# Altium PCB LimeSDR_1v2s.PcbDoc (part 6 of 9) (continued)
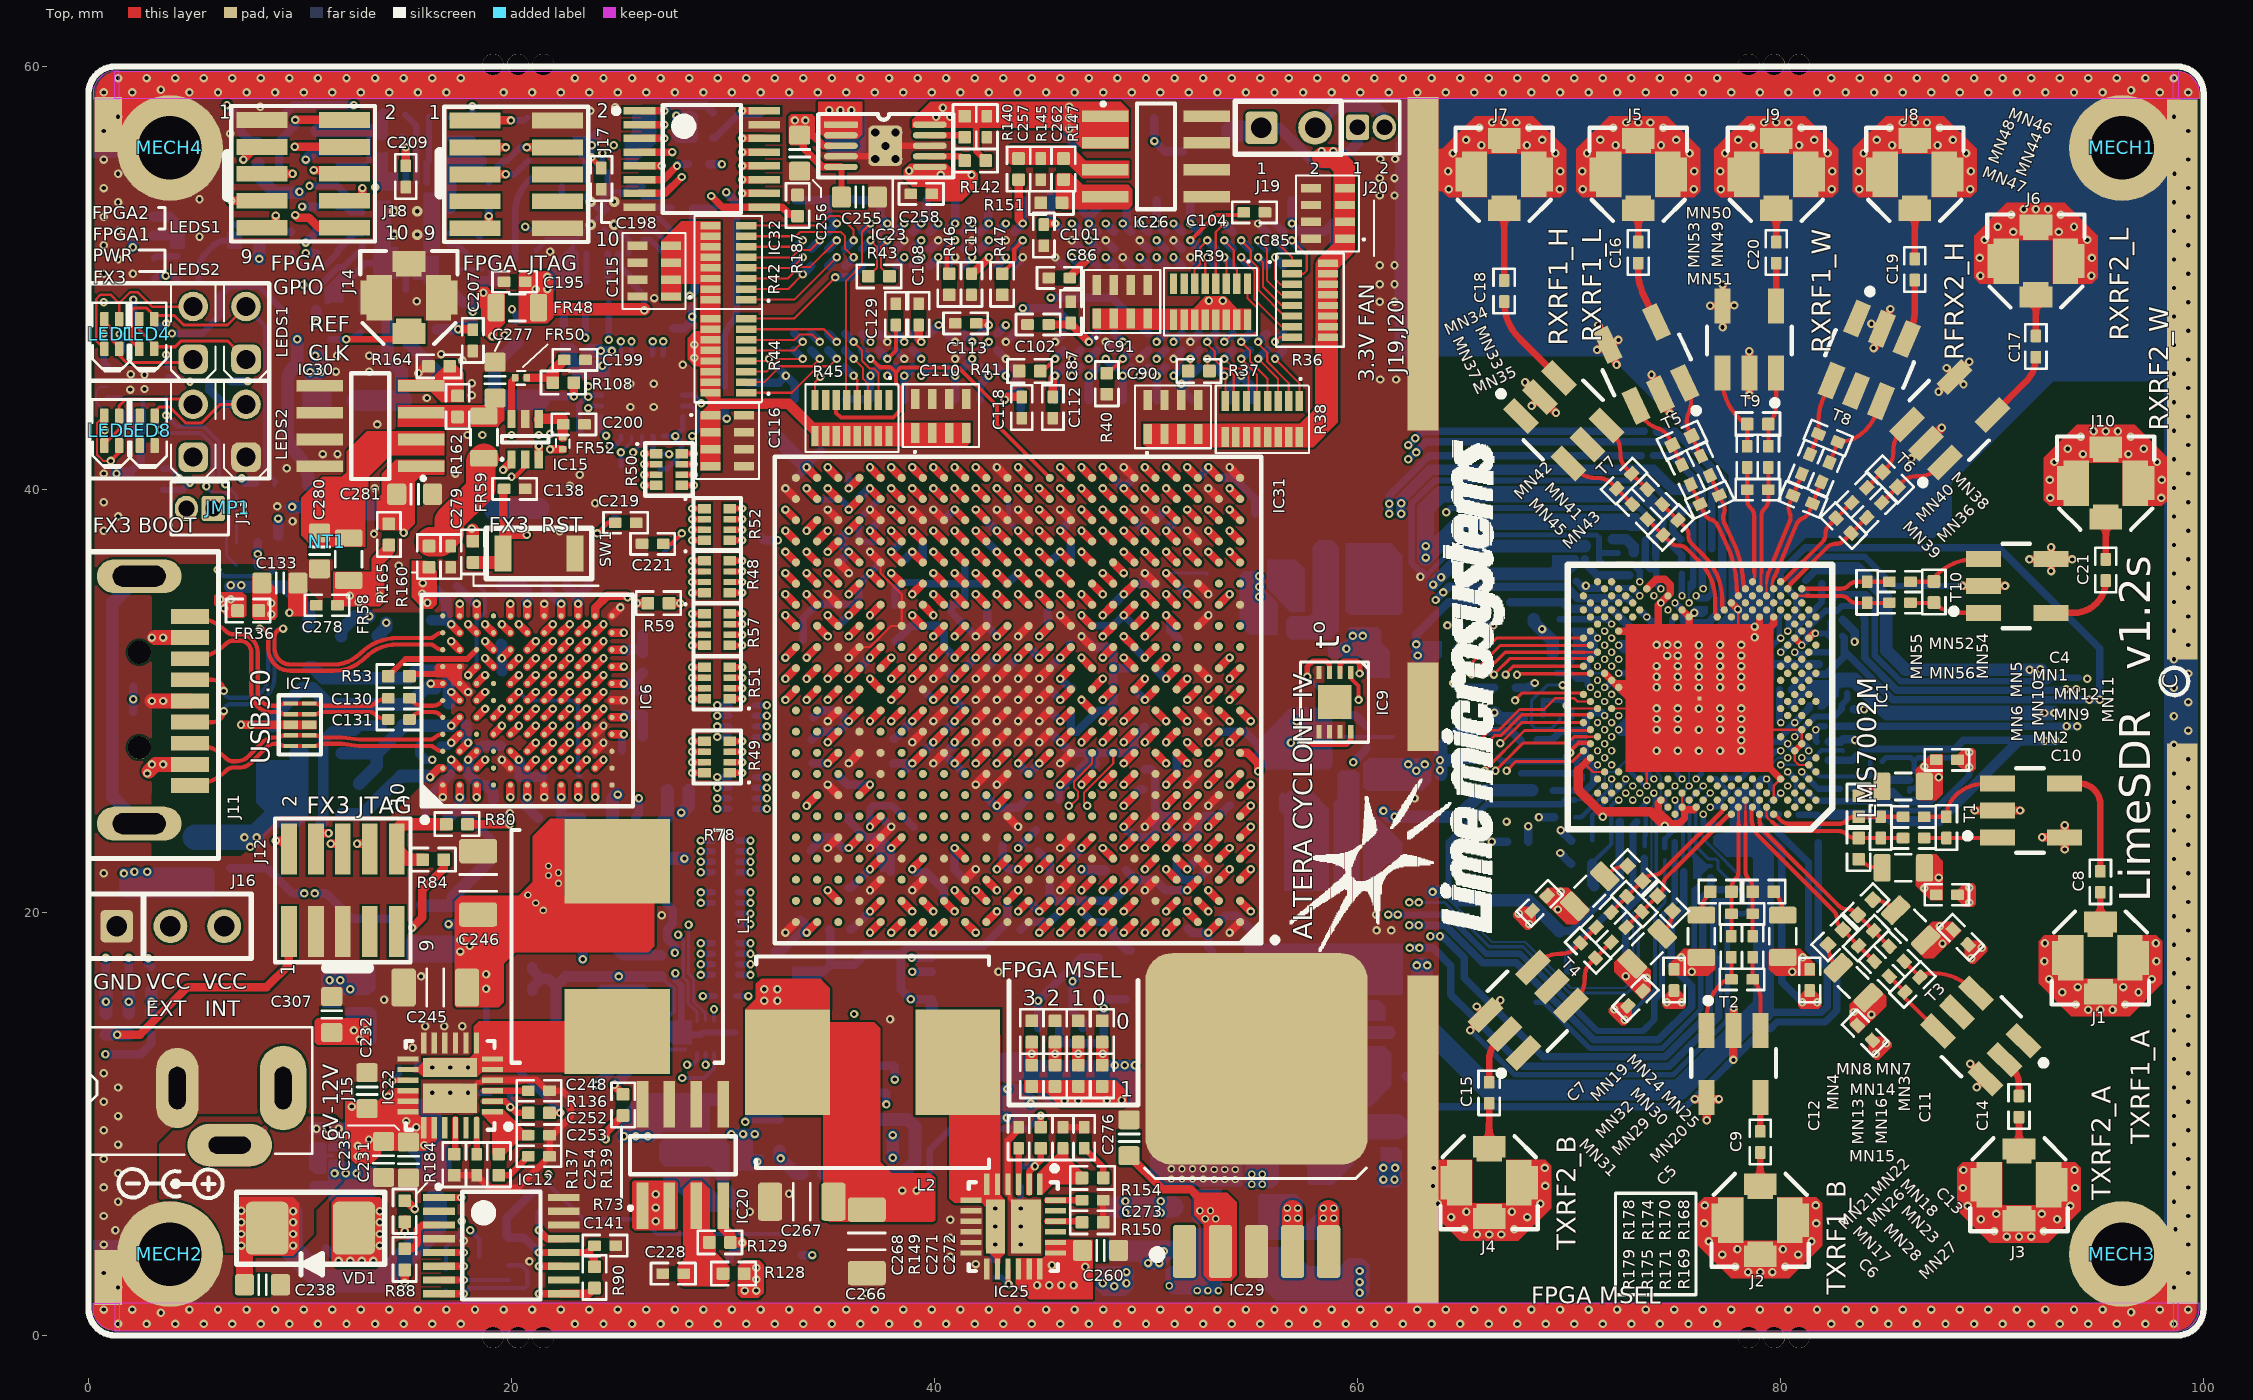
[diagram p0: Top view]
## Nets (pads, with @x,y where several pads share a name; then routed paths per layer and width w, separated by ;. In a path a pad name is that pad's centre, name@x,y a point inside that pad or via, vN(x,y) a via of type N, cw(c..) or ccw(c..) an arc to the next point about the centre after c; other vN are vias at no path point) (continued)
  other v4: 80.339,33.306
NetC72_1: C72.1 FR30.2 IC1.P4 | length 1.7
  Bottom w0.35: C72.1@80.206,28.526 80.221,28.526 v4(80.672,28.977) 81.369,29.674 FR30.2@81.369,29.781
NetC73_1: C73.1 FR29.1 IC1.AP26 | length 1.7
  Bottom w0.3: C73.1@72.276,36.439 FR29.1@73.051,36.439 73.346,36.144 v4(73.346,35.637)
NetC74_1: C74.1 FR29.2 R34.2 | length 1.4
  Bottom w0.5: C74.1@72.076,37.644 R34.2@72.701,37.644 73.051,37.294 FR29.2@73.051,37.044
NetC75_1: C75.1 FR31.1 IC1.AM26 | length 1.4
  Bottom w0.3: C75.1@72.051,35.339 FR31.1@72.826,35.339 72.979,35.339 v4(73.346,34.971)
NetC76_1: C76.1 FR31.2 R35.2 | length 2.5
  Bottom w0.4: R35.2@70.751,36.714 70.751,36.519 71.321,35.949 FR31.2@72.851,35.949
NetC77_1: C77.1 FR32.1 IC1.AK22 | length 13.9
  L4 w0.35: v1(65.8,36) 71.425,36 73.003,34.422 73.865,34.422 74.099,34.188 74.561,34.188 v4(74.678,34.305)
  Bottom w0.6: v1(65.8,36) 69.25,36 69.775,36.525
NetC78_1: C78.1 FR33.1 IC1.AF6 | length 1.9
  Bottom w0.25: C78.1@79.531,32.544 79.576,32.544 v4(80.006,32.973) 79.939,33.04 79.939,33.982 FR33.1@80.051,34.094 ; FR33.1@80.001,34.064 FR33.1@80.006,34.059
NetC79_1: C79.1 FR34.1 IC1.AD4 | length 1.8
  Bottom w0.3: v4(80.672,32.307) 80.737,32.307 80.829,32.215 81.181,32.215 81.273,32.307 82.342,32.307 FR34.1@82.351,32.299
NetC80_1: C80.1 FR35.1 IC1.AF2 | length 1.8
  Top w0.35: IC1.AF2@81.338,32.973 81.558,33.194 v4(81.651,33.194)
  Bottom w0.3: v4(81.651,33.194) 82.18,33.194 82.305,33.069 82.371,33.069 C80.1@82.371,33.719
NetC134_1: C134.1 FR37.2 J11.10 | length 12.8
  Bottom w0.6: J11.10@2.4,24.2 1.123,25.478 1.123,29.374 1.123,34.623 J11.10@2.4,35.9
NetC158_2: C158.2 C159.1 FR42.1 IC6.A2 | length 5.7
  Top w0.4: v2(16.15,26.4) 16.575,26.825 IC6.A2@16.75,26.825
  Bottom w0.6: FR42.1@11.95,24.65 12.975,24.65 C158.2@14.2,25.875 14.775,26.45 C159.1@15.325,26.45 v2@16.1,26.45
NetC160_1: C160.1 C161.2 FR43.1 IC6.B5 | length 7.9
  Top w0.4: v2(17.15,28.825) IC6.B5@17.55,29.225
  Bottom w0.6: FR43.1@11.975,27.525 13.636,27.525 ; C161.2@12.8,26.1 13.636,26.936 13.636,27.525 ; C160.1@14.875,28.85 14.875,28.764 13.636,27.525 ; C160.1@15.075,28.825 v2(17.15,28.825)
NetC162_1: C162.1 C163.2 FR44.1 IC6.A7 | length 9
  Top w0.4: v2(16.184,30.825) IC6.A7@16.75,30.825
  Bottom w0.6: FR44.1@8.675,28.8 8.675,29.175 C163.2@10.1,30.6 10.6,30.6 11.365,29.835 C162.1@12.81,29.835 15.146,29.835 15.611,30.3
NetC181_1: C181.1 C182.2 R98.2 | length 2.2
  Bottom w0.309: R98.2@28.55,52.263 C182.2@28.55,53.313 C181.1@29.65,53.313
NetC181_2: C181.2 R96.1 R103.1 R104.1 R105.2 R106.1 R107.1 | length 49.2
  L4 w0.1: v1(3.65,50.1) 6.973,50.1 cw(c6.973,47.56) 8.769,49.356 cw(c7.849,48.436) 9.15,48.436 ccw(c10.625,48.436) 9.582,47.393 v1(9.875,47.1)
  L8 w0.1: v1(9.875,47.1) ccw(c10.72,47.945) 10.72,46.75 19.908,46.75 ccw(c19.908,48.542) 21.175,47.275 cw(c22.141,46.309) 22.141,47.675 23,47.675 ccw(c23,49.546) 24.323,48.223 v1(30.15,54.05)
  Bottom w0.309: R103.1@3.1,49.925 3.275,50.1 v1(3.65,50.1) 4.025,50.1 R104.1@4.2,49.925 ; R107.1@30.075,44.85 30.075,47.136 cw(c31.014,47.136) 30.35,47.8 ccw(c29.626,48.524) 30.65,48.524 C181.2@30.65,53.313
  Bottom w0.4: v1(30.15,54.05) 30.15,54.043 30.65,53.543 C181.2@30.65,53.313
  Bottom w0.6: v1(9.875,47.1) 9.875,46.222 cw(c9.278,46.222) 9.7,45.8 ccw(c10.386,45.114) 9.416,45.114 9.416,42.612 ccw(c10.568,42.612) 9.753,41.797 cw(c8.131,40.175) R96.1@10.425,40.175
NetC182_1: C182.1 IC13.21 | length 1.3
  Bottom w0.309: IC13.21@26.225,53.313 C182.1@27.55,53.313
NetC183_2: C183.2 IC13.20 | length 1.5
  Bottom w0.25: IC13.20@26.225,53.813 26.95,53.813 C183.2@27.5,54.363
NetC186_2: C186.2 C187.2 FR47.1 R95.2 XT2.5 XT3.4 XT4.4 | length 6.1
  Bottom w0.6: C186.2@14.15,47.95 R95.2@14.15,46.9 14.15,46.225 14.8,45.575 XT2.5@14.8,44.225
  Bottom w1: XT3.4@12.7,44.2 14.775,44.2 XT2.5@14.8,44.225
NetC188_2: C188.2 IC14.6 IC14.7 IC14.8 R100.2 | length 2.9
  Bottom w0.5: R100.2@3.1,52.025 IC14.7@4.2,52.025 IC14.8@4.2,52.525 3.825,52.9 C188.2@3.1,52.9
NetC199_2: C199.2 FR50.2 R108.2 | length 2.6
  Top w0.4: FR50.2@20.73,45.275 21.75,45.275 21.95,45.475 22,45.525
  Top w0.5: 22,45.525 22,45.625 C199.2@22.5,46.125
  Top w0.6: R108.2@21.95,45.05 21.95,45.475
NetC200_1: C200.1 FR52.2 IC15.4 | length 2
  Top w0.5: IC15.4@21.3,43.325 21.325,43.35 22.425,43.35 FR52.2@22.425,42.5
NetC201_1: C201.1 IC16.5 | length 1.4
  Bottom w0.3: IC16.5@17.05,51.6 17.425,51.6 C201.1@18.125,50.9
NetC201_2: C201.2 C202.1 R109.2 | length 2.1
  Bottom w0.5: C201.2@18.125,49.9 18.175,49.85 R109.2@19.175,49.85 19.175,49.9 C202.1@19.175,50.9
NetC204_2: C204.2 C205.1 C206.1 FR51.2 IC16.6 IC16.7 | length 20
  L4 w0.4: v1(10.275,55.6) 14.475,55.6 17.55,52.525 17.55,49.025 v1(18.175,48.4)
  Bottom w0.3: IC16.7@15.5,50.7 IC16.6@16,50.7 16,49.825 16.25,49.575 FR51.2@16.475,49.575
  Bottom w0.4: C206.1@10.8,55.975 C205.1@12.8,55.975
  Bottom w0.5: v1(10.275,55.6) 10.65,55.975 10.75,55.975 C206.1@10.8,55.975 ; FR51.2@16.475,49.575 16.975,49.575 17.7,48.85 C204.2@18.175,48.85 v1@18.175,48.45
NetC209_2: C209.2 C210.1 IC16.18 R110.1 | length 3.1
  Top w0.4: C209.2@15,55.3 v1(15,56.175)
  Bottom w0.3: C210.1@14.825,56.675 15,56.5 IC16.18@15,54.5
NetC211_1: C211.1 C212.2 R114.2 | length 2
  Bottom w0.3: C212.2@12.925,48.475 R114.2@12.925,49.425 C211.1@13.975,49.425
NetC211_2: C211.2 IC16.8 | length 1.2
  Bottom w0.3: C211.2@15,49.45 IC16.8@15,50.7
NetC213_2: C213.2 R112.2 R113.1 | length 12.5
  L4 w0.1: v1@18.15,58.15 18.15,53.227 ccw(c20.69,53.227) 18.894,51.431 19.281,51.044 cw(c17.485,49.248) 20.025,49.248 v1(20.025,48.525)
  Bottom w0.309: R112.2@17.125,57.575 C213.2@18.175,57.575 ; v1@18.15,58.15 18.15,57.696 ccw(c18.321,57.696) C213.2@18.2,57.575 ; v1(20.025,48.525) cw(c19.456,47.956) 20.26,47.956 R113.1@20.26,47.943
  other v1: 18.15,58.125
NetC214_1: C214.1 R118.2 | length 1.1
  Bottom w0.3: C214.1@17.1,56.575 18.15,56.575 R118.2@18.2,56.525
NetC214_2: C214.2 C215.2 IC16.20 R112.1 | length 3.2
  Bottom w0.3: IC16.20@16,54.5 16,55.475 C215.2@16.1,55.575 C214.2@16.1,56.575 R112.1@16.1,57.625
NetC216_1: C216.1 IC16.4 | length 1.5
  Bottom w0.3: IC16.4@17.05,52.1 18.35,52.1 C216.1@18.5,51.95
NetC220_2: C220.2 IC16.12 R119.2 | length 4.5
  Bottom w0.3: C220.2@9.625,51.175 9.625,51 10.15,50.475 11.075,50.475 R119.2@11.775,51.175 11.775,51.3 12.575,52.1 IC16.12@12.95,52.1
NetC228_2: C228.2 IC20.3 R128.2 R129.1 | length 0.9
  Top w0.5: IC20.3@28.735,5.185 IC20.3@28.735,6.125
NetC237_1: C237.1 J15.1 J16.2 VD1.A | length 5
  Bottom w0.4: C237.1@11.225,4.125 v1(11.825,3.525) v1(13.475,3.525) 13.775,3.825 v1(13.775,5.875)
  other v1: 12.375,3.525 12.925,3.525 13.775,4.25 13.775,4.8 13.775,5.35
NetC240_1: C240.1 IC22.15 | length 1.4
  Top w0.25: v1@14.425,12.075 IC22.15@15.1,12.075
  Bottom w0.25: v1(14.375,12.05) 14.7,12.375 C240.1@14.7,12.675
NetC240_2: C240.2 IC22.5 IC22.6 IC22.7 IC22.14 IC22.26 L1.1
  other v6: 16.25,12.675 17.1,12.675 17.95,12.675
NetC243_2: C243.2 FR54.2 IC21.1 IC21.2
NetC244_2: C244.2 IC21.3 R132.2 R134.1 | length 4.7
  Bottom w1.2: IC21.3@57.1,9.865 R132.2@61.84,9.865
NetC248_1: C248.1 IC22.3 | length 2.1
  Top w0.309: IC22.3@18.7,11.575 C248.1@20.8,11.575
NetC250_2: C250.2 FR55.2 IC24.1 IC24.2
NetC251_2: C251.2 IC24.3 R141.2 R143.1
NetC252_1: C252.1 IC22.1 R139.2
NetC253_1: C253.1 R139.1 | length 1.8
  Top w0.309: R139.1@19.4,7.575 19.9,7.575 C253.1@20.8,8.475
NetC254_1: C254.1 IC22.24 | length 1.7
  Top w0.309: C254.1@18.35,8.575 IC22.24@18.35,10.225
NetC259_1: C259.1 IC25.15 | length 1.5
  Top w0.25: IC25.15@43.475,3.15 43.475,2.45 v1(43.5,2.425)
  Bottom w0.25: C259.1@42.875,2.75 43.175,2.75 v1(43.5,2.425)
NetC259_2: C259.2 IC25.5 IC25.6 IC25.7 IC25.14 IC25.26 L2.1
  other v6: 42.875,4.3 42.875,5.15 42.875,6
NetC262_2: C262.2 IC26.3 R145.2 R147.1
NetC264_2: C264.2 FR56.2 IC27.1 IC27.2
NetC265_2: C265.2 IC27.3 R146.2 R148.1
NetC268_1: C268.1 IC25.3 | length 2.1
  Top w0.309: IC25.3@43.975,6.75 C268.1@43.975,8.85
NetC270_2: C270.2 IC28.3 R155.2 R156.1 | length 1.7
  Bottom w0.6: 30,7.625 30,7.05 30.55,6.5 R156.1@30.55,6.2
NetC271_1: C271.1 IC25.1 R154.2
NetC272_1: C272.1 R154.1 | length 1.8
  Top w0.309: C272.1@47.075,8.85 47.975,7.95 R154.1@47.975,7.45
NetC273_1: C273.1 IC25.24 | length 1.7
  Top w0.309: IC25.24@45.325,6.4 C273.1@46.975,6.4
NetC275_2: C275.2 IC29.4 R157.2 R158.1 | length 1.9
  Top w1: IC29.4@56.93,3.975 56.93,5.905
  other v5: 56.675,5.55 57.175,5.55 56.675,6.025 57.175,6.025
NetC276_2: C276.2 FR57.2 IC29.2 | length 4
  Top w0.4: C276.2@49.2,8.5 50.775,6.925 52.101,6.925 52.402,6.624
  other v5: 52.8,5.525 53.3,5.525 52.55,5.9 53.05,5.9
NetC277_2: C277.2 FR59.1 IC30.3 R162.1
NetC279_2: C279.2 FR59.2 R160.2 | length 5.3
  Top w1.4: R160.2@16.175,37.525 16.625,37.525 17.05,37.95 17.05,38.525 18.55,40.025 18.55,41.325 FR59.2@18.7,41.475
NetC280_2: C280.2 FR58.2 IC30.2
NetC281_2: C281.2 IC30.1 R163.2 R165.1 | length 47.5
  Top w0.4: 14.875,38.825 14.9,38.8 v1(14.9,37.95)
  L4 w0.2: v1(14.9,37.95) 15.075,37.775 15.075,25.96 17.725,23.31 17.725,21.375 21.575,17.525 21.575,7.8 v1(21.75,7.625)
  Bottom w0.2: v1(21.75,7.625) 21.8,7.575 21.8,7.1 23.4,5.5 26.159,5.5 26.859,4.8 R163.2@33.725,4.8
NetFR50_1: FR50.1 IC15.6 | length 2
  Top w0.35: IC15.6@20,43.325 20,44.725 20,45.105 FR50.1@20.17,45.275
NetIC1_AM24: IC1.AM24 R1.1 | length 8.6
  L10 w0.1: v1(66.425,33.575) cw(c67.365,32.635) 67.365,33.964 72.075,33.964 ccw(c72.075,36.209) 73.663,34.622 v4(74.012,34.971)
  Bottom w0.4: R1.1@65.85,33.575 v1(66.425,33.575)
NetIC1_D6: IC1.D6 R26.2 | length 0.6
  Bottom w0.25: R26.2@79.526,25.264 79.622,25.264 v4(80.006,25.647)
NetIC1_D28: IC1.D28 R10.1 | length 6
  L10 w0.1: v1(68.075,24.075) 68.718,24.075 70.291,25.647 v4(72.68,25.647)
  Bottom w0.4: R10.1@68.075,23.35 v1(68.075,24.075)
NetIC1_E5: IC1.E5 R4.1 | length 16.2
  L10 w0.1: v1(68.375,30.85) cw(c69.462,29.763) 69.462,31.3 71.375,31.3 cw(c71.375,30.577) 71.887,31.088 72.056,30.919 ccw(c73.852,32.715) 73.852,30.175 77.95,30.175 cw(c77.95,29.425) 78.7,29.425 78.7,28.55 ccw(c80.947,28.55) 79.358,26.961 v4(80.339,25.98)
  Bottom w0.4: R4.1@67.475,30.625 67.832,30.625 ccw(c67.832,31.393) v1(68.375,30.85)
NetIC1_F18: IC1.F18 R9.1 | length 2.2
  Bottom w0.25: v4(76.01,26.313) 76.248,26.552 76.248,27.048 76.631,27.431 76.631,28.164 R9.1@76.58,28.215
NetIC1_F28: IC1.F28 R13.1 | length 3.6
  Bottom w0.2: R13.1@71.1,23.4 71.1,24.598 72.68,26.178 v4(72.68,26.313)
NetIC1_F30: IC1.F30 R12.1 | length 2.7
  Bottom w0.2: R12.1@70.3,24.5 70.578,24.5 72.014,25.936 v4(72.014,26.313)
NetIC1_J5: IC1.J5 R28.1 | length 1.1
  Bottom w0.11: R28.1@79.356,27.019 79.579,27.019 79.872,27.312 v4(80.339,27.312)
NetIC1_K2: IC1.K2 R31.1 | length 0.5
  Bottom w0.3: R31.1@81.049,28.017 R31.1@81.074,28.017 ; R31.1@81.049,28.042 R31.1@81.074,28.017 ; v4(81.338,27.645) 81.338,27.753 R31.1@81.074,28.017
NetIC6_B3: IC6.B3 R56.2 | length 1.4
  Top w0.4: IC6.B3@17.55,27.625 v2(17.95,28.025)
  Bottom w0.5: R56.2@17.85,28.875 17.85,28.125 v2@17.937,28.038
NetIC6_C8: IC6.C8 R54.2 | length 5.2
  Top w0.4: v2(17.95,31.225) IC6.C8@18.35,31.625
  Bottom w0.2: v2(17.95,31.225) 18.35,31.625 18.35,33.305 18.35,33.791 18.75,34.191 18.75,35.15 R54.2@18.475,35.425
NetIC6_E1: IC6.E1 R58.4 | length 14.8
  Top w0.4: v2(19.95,25.459) IC6.E1@19.95,26.025
  L4 w0.1: v2(19.95,25.459) 20.3,25.809 23.295,25.809 23.5,25.604 23.5,25.325 23.8,25.025 27.47,25.025 30.075,27.63 30.075,28.95 v1(29.725,29.3)
  Bottom w0.3: v1(29.725,29.3) R58.4@30.3,29.3
NetIC6_E4: IC6.E4 R58.8 | length 15.6
  Top w0.4: IC6.E4@19.95,28.425 v2(20.35,28.825)
  L3 w0.1: v2(20.35,28.825) 20.8,29.275 20.8,30.57 21.005,30.775 21.195,30.775 21.6,31.18 21.6,32.17 21.805,32.375 22.895,32.375 23.15,32.12 23.15,31.075 23.375,30.85 24.45,30.85 24.925,30.375 25.85,30.375 26.95,29.275 28.75,29.275 v1(29.725,28.3)
  Bottom w0.3: v1(29.725,28.3) R58.8@30.3,28.3
NetIC6_E5: IC6.E5 R58.6 | length 14.6
  Top w0.4: IC6.E5@19.95,29.225 v2(20.35,29.625)
  L4 w0.1: v2(20.35,29.625) 20.35,29.375 20.525,29.2 21.275,29.2 21.55,29.475 21.55,29.9 21.725,30.075 22.925,30.075 23.2,29.8 23.2,29.425 23.425,29.2 24.55,29.2 24.925,29.575 25.5,29.575 25.625,29.575 ccw(c25.625,29.85) 25.9,29.85 cw(c26.3,29.85) 26.3,30.25 cw(c26.3,29.85) 26.7,29.85 26.7,29.575 26.7,29.107 ccw(c27.1,29.107) 27.1,28.707 ccw(c27.1,29.107) 27.5,29.107 27.5,29.175 cw(c27.9,29.175) 27.9,29.575 28.2,29.575 28.475,29.3 29.225,29.3 v1(29.725,28.8)
  Bottom w0.3: v1(29.725,28.8) R58.6@30.3,28.8
NetIC6_F3: IC6.F3 R55.8 | length 14.6
  Top w0.4: IC6.F3@20.75,27.625 v2(21.15,28.025)
  L8 w0.1: v2(21.15,28.025) 20.8,27.675 20.8,26.85 20.375,26.425 20.375,25.2 21.267,24.308 22.976,24.308 23.359,23.925 28.75,23.925 v1(29.725,24.9)
  Bottom w0.3: v1(29.725,24.9) R55.8@30.3,24.9
NetIC6_F4: IC6.F4 R55.2 | length 14.5
  Top w0.4: IC6.F4@20.75,28.425 v2(21.15,28.825)
  L8 w0.1: v2(21.15,28.825) 21.6,28.375 22.125,28.375 22.2,28.3 22.2,28.292 22.3,28.192 22.3,26.375 22.8,25.875 22.8,25.314 23.005,25.109 25.225,25.109 ccw(c25.225,25.509) 25.625,25.509 25.625,25.709 cw(c26.025,25.709) 26.025,26.109 cw(c26.025,25.709) 26.425,25.709 26.425,25.509 ccw(c26.825,25.509) 26.825,25.109 27.225,25.109 27.475,25.109 28.434,25.109 v1(29.725,26.4)
  Bottom w0.3: v1(29.725,26.4) R55.2@30.3,26.4
NetIC6_F5: IC6.F5 R58.2 | length 14.5
  Top w0.4: IC6.F5@20.75,29.225 v2(21.15,29.625)
  L4 w0.1: v2(21.15,29.625) 20.8,29.975 19.975,29.975 19.775,30.175 19.775,30.675 19.975,30.875 22.975,30.875 23.175,30.675 23.175,30.25 23.35,30.075 24.7,30.075 25.075,30.45 27.975,30.45 28.15,30.275 28.15,30.005 28.405,29.75 29.675,29.75 v1(29.725,29.8)
  Bottom w0.3: v1(29.725,29.8) R58.2@30.3,29.8
NetIC6_F7: IC6.F7 R48.5 | length 15
  Top w0.3: v1(28.55,35.625) R48.5@29.125,35.625
  Top w0.4: IC6.F7@20.75,30.825 v2(21.15,31.225)
  L4 w0.1: v2(21.15,31.225) 21.575,31.65 21.575,34.05 21.925,34.4 21.925,37.15 22.35,37.575 26.6,37.575 v1(28.55,35.625)
NetIC6_F8: IC6.F8 R50.3 | length 14.1
  Top w0.3: v1(26.275,41.2) R50.3@26.85,41.2
  Top w0.4: IC6.F8@20.75,31.625 v2(21.15,32.025)
  L8 w0.1: v2(21.15,32.025) 21.6,32.475 22.095,32.475 22.3,32.68 22.3,34.046 21.9,34.446 21.9,38.625 24.475,41.2 v1(26.275,41.2)
NetIC6_F9: IC6.F9 R48.3 | length 14.9
  Top w0.3: v1(28.55,36.125) R48.3@29.125,36.125
  Top w0.4: IC6.F9@20.75,32.425 v2(21.15,32.825)
  L4 w0.1: v2(21.15,32.825) 21.15,38.125 21.45,38.425 26.25,38.425 v1(28.55,36.125)
NetIC6_F10: IC6.F10 R48.1 | length 14.9
  Top w0.3: v1(28.55,36.625) R48.1@29.125,36.625
  Top w0.4: v2(20.35,33.625) IC6.F10@20.75,33.225
  L4 w0.1: v2(20.35,33.625) 20.35,38.178 20.797,38.625 26.333,38.625 28.333,36.625 v1(28.55,36.625)
NetIC6_G2: IC6.G2 R55.4 | length 14.6
  Top w0.4: IC6.G2@21.55,26.825 v2(21.95,27.225)
  L8 w0.1: v2(21.95,27.225) 21.5,26.775 21.5,26.004 21.9,25.604 21.9,25.05 22.175,24.775 23.075,24.775 23.525,24.325 23.75,24.325 23.774,24.325 ccw(c23.774,24.605) 24.054,24.605 cw(c24.358,24.605) 24.358,24.909 cw(c24.358,24.605) 24.662,24.605 ccw(c24.942,24.605) 24.942,24.325 24.966,24.325 ccw(c24.966,24.629) 25.27,24.629 25.27,24.675 cw(c25.574,24.675) 25.574,24.979 cw(c25.574,24.675) 25.878,24.675 25.878,24.629 ccw(c26.182,24.629) 26.182,24.325 26.205,24.325 ccw(c26.205,24.606) 26.486,24.606 cw(c26.79,24.606) 26.79,24.91 cw(c26.79,24.606) 27.094,24.606 ccw(c27.375,24.606) 27.375,24.325 27.702,24.325 27.725,24.325 28.15,24.325 v1(29.725,25.9)
  Bottom w0.3: v1(29.725,25.9) R55.4@30.3,25.9
NetIC6_G3: IC6.G3 R55.6 | length 14.5
  Top w0.4: IC6.G3@21.55,27.625 v2(21.95,28.025)
  L8 w0.1: v2(21.95,28.025) 21.6,27.675 21.6,27.18 20.7,26.28 20.7,26.004 21.175,25.529 21.175,24.683 21.35,24.508 23.059,24.508 23.442,24.125 28.45,24.125 v1(29.725,25.4)
  Bottom w0.3: v1(29.725,25.4) R55.6@30.3,25.4
NetIC6_G5: IC6.G5 R62.7 | length 18.2
  Top w0.4: IC6.G5@21.55,29.225 v2(21.95,29.625)
  L3 w0.1: v2(21.95,29.625) 22.225,29.625 22.35,29.5 22.35,26.025 21.975,25.65 21.975,24.425 23.25,23.15 23.25,21.225 23.6,20.875 27.642,20.875 28.525,21.758 28.525,22.975 v1(28.95,23.4)
  Bottom w0.3: v1(28.95,23.4) R62.7@29.525,23.4
NetIC6_G6: IC6.G6 R62.1 | length 18.8
  Top w0.4: IC6.G6@21.55,30.025 v2(21.95,30.425)
  L3 w0.1: v2(21.95,30.425) 21.5,29.975 21.5,26.109 21.2,25.809 21.2,21.825 22.35,20.675 27.725,20.675 v1(28.95,21.9)
  Bottom w0.3: v1(28.95,21.9) R62.1@29.525,21.9
NetIC6_G7: IC6.G7 R61.7 | length 18.9
  Top w0.4: IC6.G7@21.55,30.825 v2(21.95,31.225)
  L9 w0.1: v2(21.95,31.225) 21.5,30.775 21.5,29.475 21.25,29.225 21,29.225 20.8,29.025 20.8,27.08 21.2,26.68 21.2,24.417 27.067,18.55 v1(28.95,18.55)
  Bottom w0.3: v1(28.95,18.55) R61.7@29.525,18.55
NetIC6_G8: IC6.G8 R57.7 | length 14.2
  Top w0.3: v1(28.55,32.625) R57.7@29.125,32.625
  Top w0.4: IC6.G8@21.55,31.625 v2(21.95,32.025)
  L8 w0.1: v2(21.95,32.025) 21.6,31.675 19.725,31.675 19.475,31.425 19.475,31.075 19.775,30.775 24.7,30.775 25.175,31.25 27.092,31.25 28.467,32.625 v1(28.55,32.625)
NetIC6_G9: IC6.G9 R50.1 | length 14.1
  Top w0.3: v1(26.275,41.7) R50.1@26.85,41.7
  Top w0.4: IC6.G9@21.55,32.425 v2(21.95,32.825)
  L8 w0.1: v2(21.95,32.825) 21.95,33.13 21.6,33.48 21.6,34.046 21.2,34.446 21.2,39.5 23.1,41.4 25.975,41.4 v1(26.275,41.7)
NetIC6_G10: IC6.G10 R48.7 | length 15.1
  Top w0.3: v1(28.55,35.125) R48.7@29.125,35.125
  Top w0.4: IC6.G10@21.55,33.225 v2(21.95,33.625)
  L4 w0.1: v2(21.95,33.625) 22.7,34.375 22.7,34.975 22.15,35.525 22.15,37.05 22.475,37.375 23.025,37.375 23.425,37.375 23.825,37.375 cw(c23.825,36.975) 24.225,36.975 24.225,36.175 ccw(c24.625,36.175) 24.625,35.775 ccw(c24.625,36.175) 25.025,36.175 25.025,36.975 cw(c25.425,36.975) 25.425,37.375 25.675,37.375 26.3,37.375 v1(28.55,35.125)
NetIC6_H2: IC6.H2 R51.6 | length 14.3
  Top w0.3: v1(28.55,31.1) R51.6@29.125,31.1
  Top w0.4: IC6.H2@22.35,26.825 v2(22.75,27.225)
  L8 w0.1: v2(22.75,27.225) 23.1,27.575 23.1,28.925 23.35,29.175 23.775,29.175 24,28.95 24,28.68 24.205,28.475 24.495,28.475 24.795,28.775 25.275,28.775 ccw(c25.275,29.175) 25.675,29.175 25.675,29.775 cw(c26.075,29.775) 26.075,30.175 cw(c26.075,29.775) 26.475,29.775 26.475,28.775 26.475,28.48 ccw(c26.875,28.48) 26.875,28.08 ccw(c26.875,28.48) 27.275,28.48 cw(c27.57,28.48) 27.57,28.775 27.725,28.775 28,28.775 28.2,28.975 28.2,30.75 v1(28.55,31.1)
NetIC6_H3: IC6.H3 R51.8 | length 14.4
  Top w0.3: v1(28.55,31.6) R51.8@29.125,31.6
  Top w0.4: IC6.H3@22.35,27.625 v2(22.75,28.025)
  L8 w0.1: v2(22.75,28.025) 22.4,28.375 22.4,28.87 22.07,29.2 20.28,29.2 20,29.48 20,29.795 20.255,30.05 24.846,30.05 25.171,30.375 26.5,30.375 27.725,31.6 v1(28.55,31.6)
NetIC6_H5: IC6.H5 R63.7 | length 18.5
  Top w0.4: IC6.H5@22.35,29.225 v2(22.75,29.625)
  L9 w0.1: v2(22.75,29.625) 22.75,29.375 22.4,29.025 22.4,28.68 22.605,28.475 22.9,28.475 23.2,28.175 23.2,27.875 23.5,27.575 23.695,27.575 24,27.27 24,26.95 24.725,26.225 25.392,26.225 25.625,25.992 25.625,25.6 23.45,23.425 23.45,22.733 26.683,19.5 27.5,19.5 v1(28.95,20.95)
  Bottom w0.3: v1(28.95,20.95) R63.7@29.525,20.95
NetIC6_H7: IC6.H7 R61.5 | length 19.3
  Top w0.4: IC6.H7@22.35,30.825 v2(22.75,31.225)
  L9 w0.1: v2(22.75,31.225) 23.2,30.775 23.695,30.775 23.978,30.492 23.978,30.302 24.205,30.075 24.771,30.075 25.171,29.675 26.912,29.675 27.8,28.787 27.8,25.764 28.6,24.964 28.6,24.528 29.875,23.253 29.875,20.566 29.3,19.991 29.3,18.4 v1(28.95,18.05)
  Bottom w0.3: v1(28.95,18.05) R61.5@29.525,18.05
NetIC6_H8: IC6.H8 R62.5 | length 18.6
  Top w0.4: IC6.H8@22.35,31.625 v2(22.75,32.025)
  L3 w0.1: v2(22.75,32.025) 22.375,31.65 22.375,31.05 22.55,30.875 22.875,30.875 23.2,30.55 23.2,26.125 22.8,25.725 22.8,24.1 24.125,22.775 27.83,22.775 28.855,23.8 29.3,23.8 29.475,23.625 29.475,23.425 v1(28.95,22.9)
  Bottom w0.3: v1(28.95,22.9) R62.5@29.525,22.9
NetIC6_H9: IC6.H9 R50.7 | length 14.2
  Top w0.3: v1(26.275,40.2) R50.7@26.85,40.2
  Top w0.4: IC6.H9@22.35,32.425 v2(22.75,32.825)
  L8 w0.1: v2(22.75,32.825) 23.025,32.825 23.2,33 23.2,33.77 23.6,34.17 23.6,34.575 23.6,34.676 ccw(c23.301,34.676) 23.301,34.975 cw(c23.301,35.375) 22.901,35.375 cw(c23.301,35.375) 23.301,35.775 23.6,35.775 23.9,35.775 ccw(c23.9,36.175) 24.3,36.175 ccw(c23.9,36.175) 23.9,36.575 cw(c23.9,36.875) 23.6,36.875 23.6,37.375 23.6,38.025 23.6,39.725 ; v1(26.275,40.2) 26,40.475 24.35,40.475 24.075,40.2 ; 23.6,39.725 24.075,40.2 ; 23.6,39.725 24.075,40.2
NetIC6_H10: IC6.H10 R50.5 | length 14.1
  Top w0.3: v1(26.275,40.7) R50.5@26.85,40.7
  Top w0.4: IC6.H10@22.35,33.225 v2(22.75,33.625)
  L8 w0.1: v2(22.75,33.625) 22.75,34.75 22.75,35.1 ccw(c22.55,35.1) 22.55,35.3 cw(c22.55,35.7) 22.15,35.7 cw(c22.55,35.7) 22.55,36.1 22.75,36.1 22.95,36.1 ccw(c22.95,36.5) 23.35,36.5 ccw(c22.95,36.5) 22.95,36.9 22.75,36.9 22.55,36.9 cw(c22.55,37.3) 22.15,37.3 cw(c22.55,37.3) 22.55,37.7 22.75,37.7 22.95,37.7 ccw(c22.95,38.1) 23.35,38.1 ccw(c22.95,38.1) 22.95,38.5 cw(c22.95,38.7) 22.75,38.7 22.75,38.9 22.75,39.175 24.275,40.7 v1(26.275,40.7)
NetIC6_J1: IC6.J1 R51.4 | length 14.9
  Top w0.3: v1(28.55,30.6) R51.4@29.125,30.6
  Top w0.4: v2(23.15,25.459) IC6.J1@23.15,26.025
  L4 w0.1: v2(23.15,25.459) 23.15,24.575 23.425,24.3 27.028,24.3 30.275,27.547 30.275,29.825 29.5,30.6 v1(28.55,30.6)
NetIC6_J2: IC6.J2 R49.8 | length 14.1
  Top w0.3: v1(28.55,28.1) R49.8@29.125,28.1
  Top w0.4: IC6.J2@23.15,26.825 v2(23.55,27.225)
  L8 w0.1: v2(23.55,27.225) 23.275,27.225 22.825,26.775 22.825,26.175 23.191,25.809 23.805,25.809 25.196,27.2 25.65,27.2 cw(c25.65,26.8) 26.05,26.8 ccw(c26.45,26.8) 26.45,26.4 ccw(c26.45,26.8) 26.85,26.8 cw(c27.25,26.8) 27.25,27.2 27.475,27.2 28.025,27.2 28.2,27.025 28.2,26.455 28.505,26.15 29.1,26.15 29.375,26.425 29.375,27.825 29.1,28.1 v1(28.55,28.1)
NetIC6_J3: IC6.J3 R51.2 | length 13.9
  Top w0.3: v1(28.55,30.1) R51.2@29.125,30.1
  Top w0.4: IC6.J3@23.15,27.625 v2(23.55,28.025)
  L8 w0.1: v2(23.55,28.025) 23.975,27.6 24.775,27.6 25.15,27.975 25.7,27.975 cw(c25.7,27.575) 26.1,27.575 26.1,27.461 ccw(c26.5,27.461) 26.5,27.061 ccw(c26.5,27.461) 26.9,27.461 26.9,27.575 cw(c27.3,27.575) 27.3,27.975 27.625,27.975 27.93,27.975 28.405,28.45 29.08,28.45 29.58,27.95 29.9,27.95 30.475,28.525 30.475,30.1 30.225,30.35 28.8,30.35 v1(28.55,30.1)
NetIC6_J4: IC6.J4 R49.4 | length 14.9
  Top w0.3: v1(28.55,27.1) R49.4@29.125,27.1
  Top w0.4: IC6.J4@23.15,28.425 v2(23.55,28.825)
  L4 w0.1: v2(23.55,28.825) 23.925,28.45 24.675,28.45 25.1,28.025 25.5,28.025 25.725,28.25 25.725,28.6 26,28.875 26.025,28.875 26.275,28.875 cw(c26.275,28.475) 26.675,28.475 26.675,26.575 ccw(c27.075,26.575) 27.075,26.175 ccw(c27.075,26.575) 27.475,26.575 27.475,28.475 cw(c27.875,28.475) 27.875,28.875 29.15,28.875 29.375,28.65 29.375,27.275 29.2,27.1 v1(28.55,27.1)
NetIC6_J5: IC6.J5 R63.5 | length 18.4
  Top w0.4: IC6.J5@23.15,29.225 v2(23.55,29.625)
  L9 w0.1: v2(23.55,29.625) 24,29.175 24,28.68 24.205,28.475 24.75,28.475 25.2,28.025 25.5,28.025 26.175,28.7 27,28.7 27.4,28.3 27.4,25.3 26.875,24.775 25.85,24.775 25.558,24.483 25.558,23.617 27.625,21.55 28.975,21.55 29.475,21.05 29.475,20.75 29.175,20.45 v1(28.95,20.45)
  Bottom w0.3: v1(28.95,20.45) R63.5@29.525,20.45
NetIC6_J6: IC6.J6 R59.2 | length 15.1
  Top w0.4: IC6.J6@23.15,30.025 v2(23.55,30.425) ; v1(25.925,34.625) R59.2@26.45,34.625
  L4 w0.1: v2(23.55,30.425) 23.55,30.583 23.175,30.958 23.175,32.15 23.4,32.375 24.495,32.375 24.7,32.17 24.7,31.675 25.175,31.2 27.6,31.2 27.9,31.5 27.9,32.425 27.55,32.775 25.2,32.775 24.966,33.009 24.966,33.666 25.15,33.85 25.725,33.85 25.925,34.05 v1(25.925,34.625)
NetIC6_J7: IC6.J7 R61.3 | length 19.2
  Top w0.4: IC6.J7@23.15,30.825 v2(23.55,31.225)
  L9 w0.1: v2(23.55,31.225) 24,30.775 24.495,30.775 24.795,30.475 26.395,30.475 28,28.87 28,25.847 28.8,25.047 28.8,24.611 30.075,23.336 30.075,20.483 29.5,19.908 29.5,18.1 v1(28.95,17.55)
  Bottom w0.3: v1(28.95,17.55) R61.3@29.525,17.55
NetIC6_J8: IC6.J8 R57.5 | length 15.6
  Top w0.3: v1(28.55,33.125) R57.5@29.125,33.125
  Top w0.4: IC6.J8@23.15,31.625 v2(23.55,32.025)
  L3 w0.1: v2(23.55,32.025) 23.9,31.675 24.666,31.675 24.966,31.975 25.525,31.975 ccw(c25.525,32.375) 25.925,32.375 25.925,33.375 cw(c26.325,33.375) 26.325,33.775 cw(c26.325,33.375) 26.725,33.375 26.725,31.975 26.725,30.575 ccw(c27.125,30.575) 27.125,30.175 ccw(c27.125,30.575) 27.525,30.575 27.525,31.975 27.525,32.21 cw(c27.925,32.21) 27.925,32.61 cw(c27.925,32.21) 28.325,32.21 ccw(c28.56,32.21) 28.56,31.975 28.85,31.975 29.125,32.25 29.125,32.875 28.875,33.125 v1(28.55,33.125)
NetIC6_J9: IC6.J9 R52.3 | length 14.1
  Top w0.3: v1(28.55,38.6) R52.3@29.125,38.6
  Top w0.4: IC6.J9@23.15,32.425 v2(23.55,32.825)
  L8 w0.1: v2(23.55,32.825) 23.9,33.175 23.9,33.692 24.7,34.492 24.7,38.45 24.85,38.6 25.425,38.6 ccw(c25.425,39) 25.825,39 25.825,39.2 cw(c26.225,39.2) 26.225,39.6 cw(c26.225,39.2) 26.625,39.2 26.625,38.6 26.625,38 ccw(c27.025,38) 27.025,37.6 ccw(c27.025,38) 27.425,38 27.425,38.2 cw(c27.825,38.2) 27.825,38.6 28.025,38.6 v1(28.55,38.6)
NetIC6_J10: IC6.J10 R52.1 | length 14.2
  Top w0.3: v1(28.55,39.1) R52.1@29.125,39.1
  Top w0.4: IC6.J10@23.15,33.225 v2(23.55,33.625)
  L8 w0.1: v2(23.55,33.625) 24.5,34.575 24.5,39.6 24.7,39.8 26.338,39.8 ccw(c26.338,40.2) 26.738,40.2 26.738,40.8 cw(c27.137,40.8) 27.137,41.2 cw(c27.138,40.8) 27.538,40.8 27.538,40.2 ccw(c27.938,40.2) 27.938,39.8 28.075,39.8 28.55,39.325 v1(28.55,39.1)
NetIC6_K1: IC6.K1 R49.6 | length 15
  Top w0.3: v1(28.55,27.6) R49.6@29.125,27.6
  Top w0.4: v2(23.95,25.459) IC6.K1@23.95,26.025
  L4 w0.1: v2(23.95,25.459) 23.4,26.009 21.766,26.009 21.55,26.225 21.55,27.425 21.8,27.675 24.475,27.675 24.7,27.45 24.7,26.225 24.95,25.975 27.34,25.975 27.691,26.326 27.691,27.391 28.05,27.75 28.4,27.75 v1(28.55,27.6)
NetIC6_K2: IC6.K2 R49.2 | length 14.4
  Top w0.3: v1(28.55,26.6) R49.2@29.125,26.6
  Top w0.4: IC6.K2@23.95,26.825 v2(24.35,27.225)
  L4 w0.1: v2(24.35,27.225) 24.35,27 24.225,26.875 21.875,26.875 21.75,26.75 21.75,26.308 21.849,26.209 24.116,26.209 24.3,26.025 24.3,25.4 24.475,25.225 25.35,25.225 25.5,25.375 25.5,25.65 25.625,25.775 26.275,25.775 26.425,25.625 26.425,25.375 26.575,25.225 27.387,25.225 27.891,25.729 27.891,26.791 28.05,26.95 28.2,26.95 v1(28.55,26.6)
NetIC6_K6: IC6.K6 R62.3 | length 18.5
  Top w0.4: IC6.K6@23.95,30.025 v2(24.35,30.425)
  L3 w0.1: v2(24.35,30.425) 25.1,29.675 26.161,29.675 26.575,29.261 26.575,27.9 26.575,27.85 ccw(c26.975,27.85) 26.975,27.45 27.802,27.45 cw(c27.802,27.05) 28.202,27.05 cw(c27.802,27.05) 27.802,26.65 26.575,26.65 25.797,26.65 ccw(c25.797,26.25) 25.397,26.25 ccw(c25.797,26.25) 25.797,25.85 26.175,25.85 cw(c26.175,25.45) 26.575,25.45 26.575,24.475 27.05,24 29.575,24 29.825,23.75 29.825,23.275 v1(28.95,22.4)
  Bottom w0.3: v1(28.95,22.4) R62.3@29.525,22.4
NetIC6_K7: IC6.K7 R61.1 | length 19.2
  Top w0.4: IC6.K7@23.95,30.825 v2(24.35,31.225)
  L9 w0.1: v2(24.35,31.225) 25.928,31.225 28.2,28.953 28.2,25.93 29,25.13 29,24.694 30.275,23.419 30.275,20.4 29.7,19.825 29.7,17.8 v1(28.95,17.05)
  Bottom w0.3: v1(28.95,17.05) R61.1@29.525,17.05
NetIC6_K8: IC6.K8 R60.1 | length 20.9
  Top w0.4: IC6.K8@23.95,31.625 v2(24.35,32.025)
  L9 w0.1: v2(24.35,32.025) 24.4,31.975 25.461,31.975 28.9,28.536 28.9,25.513 29.2,25.213 29.2,24.776 30.475,23.501 30.475,20.317 29.9,19.742 29.9,17.505 29.05,16.655 v1(29.05,16.05)
  Bottom w0.3: v1(29.05,16.05) R60.1@29.625,16.05
NetIC6_K9: IC6.K9 R57.3 | length 14
  Top w0.3: v1(28.55,33.625) R57.3@29.125,33.625
  Top w0.4: IC6.K9@23.95,32.425 v2(24.35,32.825)
  L8 w0.1: v2(24.35,32.825) 24,32.475 22.5,32.475 22.3,32.275 22.3,31.775 22.5,31.575 24.725,31.575 24.9,31.75 24.9,32.625 25.1,32.825 25.475,32.825 cw(c25.475,32.425) 25.875,32.425 25.875,31.85 ccw(c26.275,31.85) 26.275,31.45 ccw(c26.275,31.85) 26.675,31.85 26.675,32.425 cw(c27.075,32.425) 27.075,32.825 27.35,32.825 28.05,32.825 28.2,32.975 28.2,33.5 28.325,33.625 v1(28.55,33.625)